# KiCad board issue22475.kicad_pcb (continued)
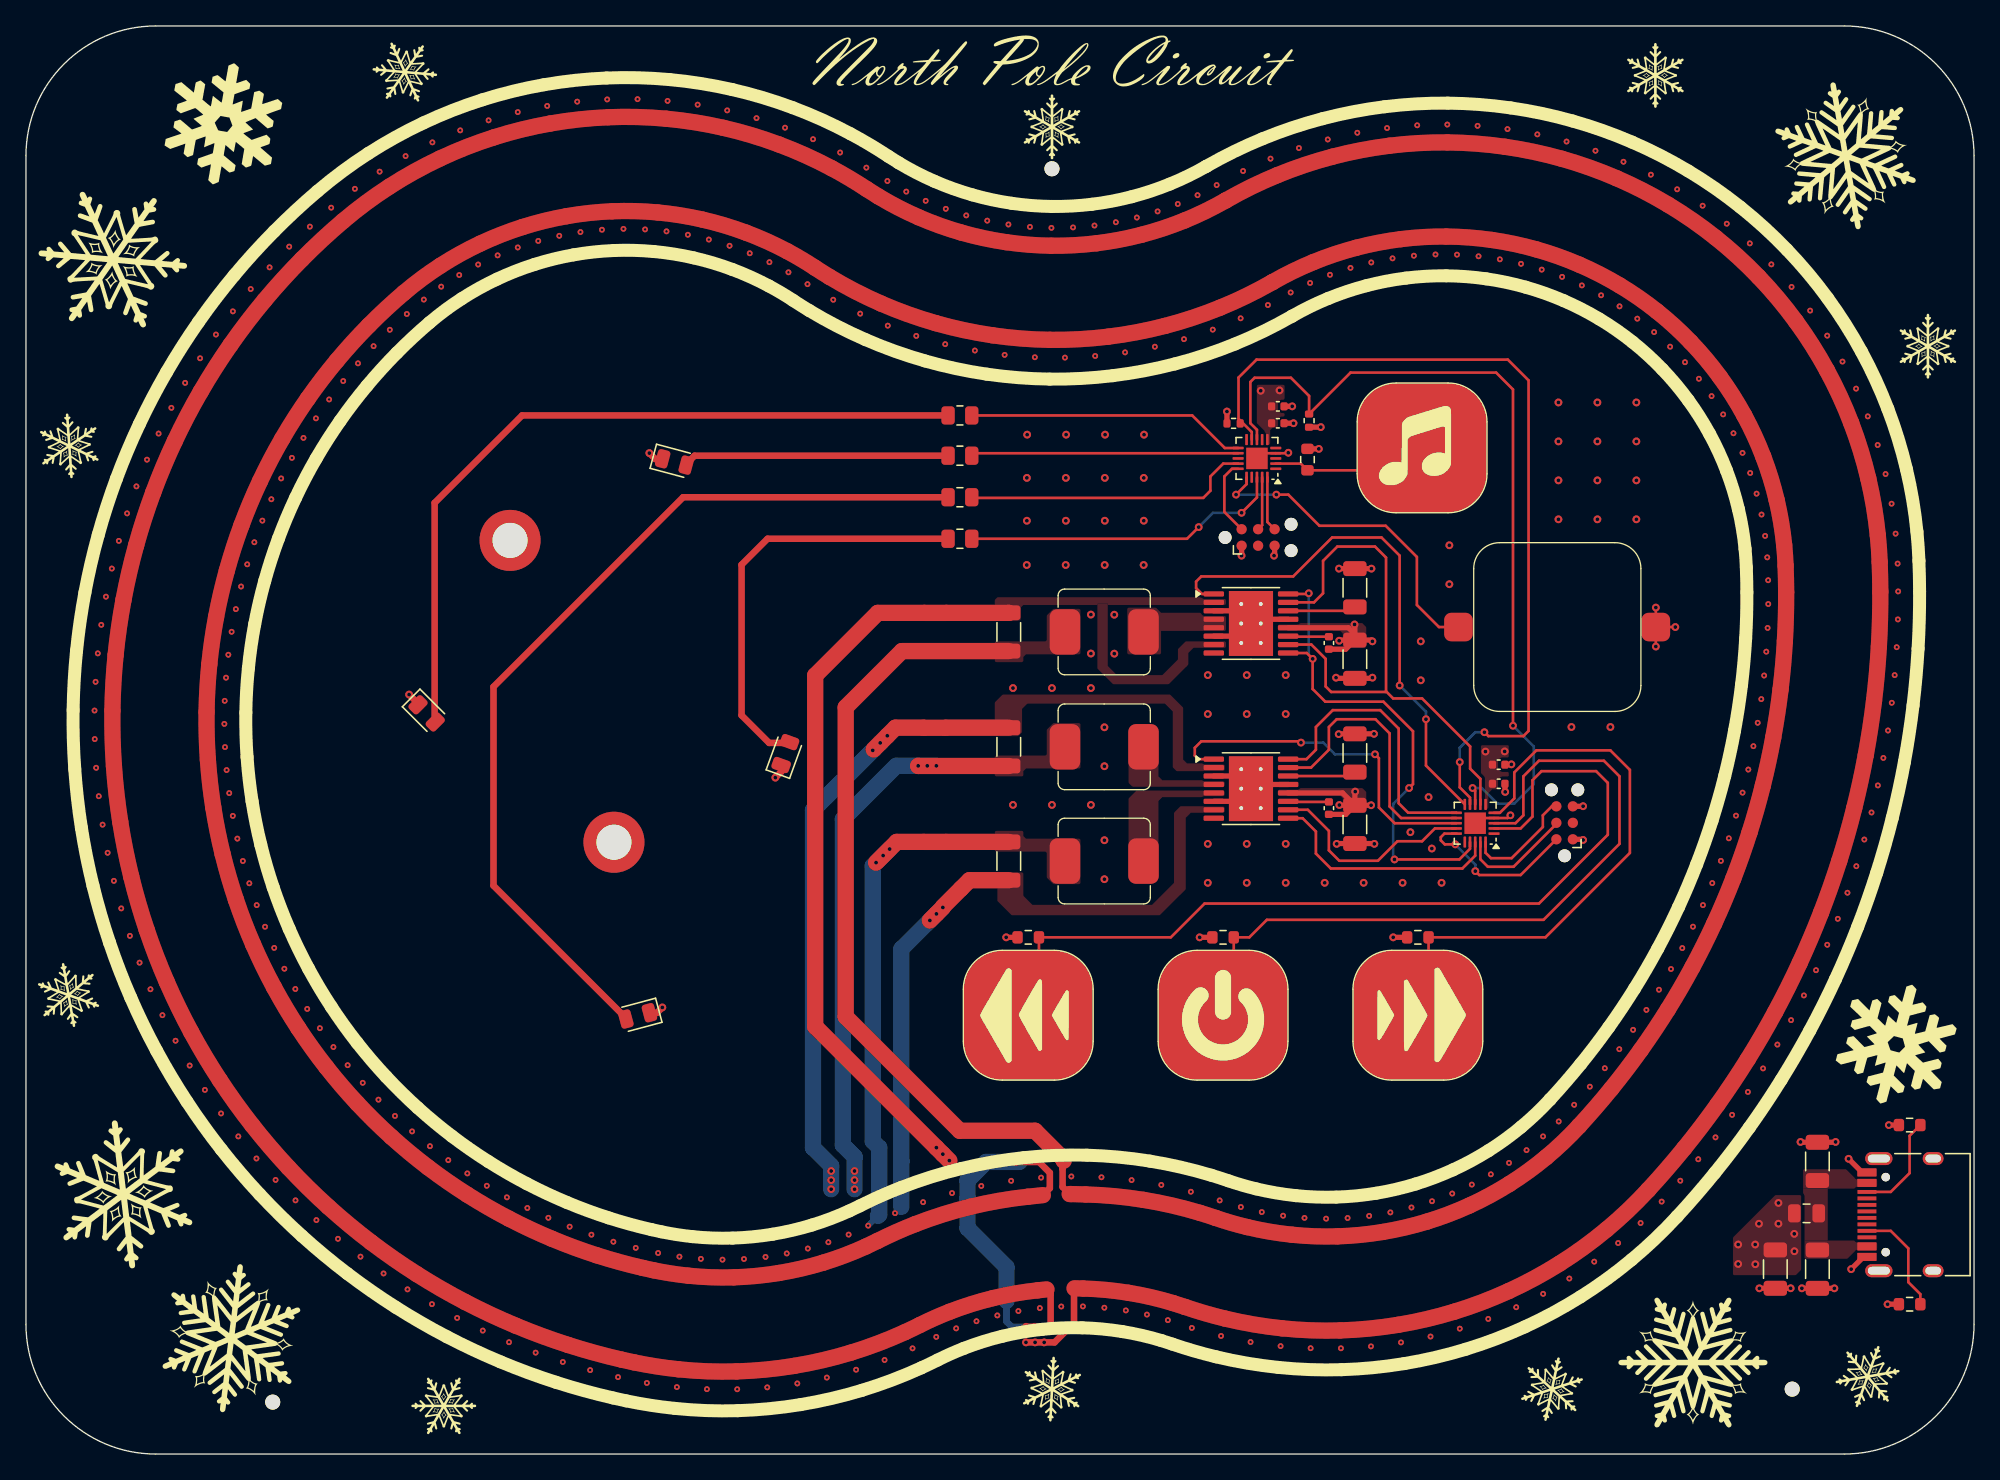
[diagram p0: board, top side]
## Routing (per net, layer and track width the routed paths; a pad name or vN(x,y) marks a point on that pad's centre or on a via; arc(x,y) is an arc through that point) (continued)
  In2.Cu w0.45: 127.38,21.05 arc(128.24,22.06) 128.76,22.7 ; 130.09,24.39 arc(130.88,25.45) 131.36,26.12 ; v2(91.68,97.75) arc(91.7,97.76) 91.71,97.76 arc(92.21,98.04) 93.72,98.83 ; 129.11,96.15 arc(127.66,97.1) 127.15,97.41 ; 83.93,94.88 arc(83.52,94.81) 82.28,94.63 ; 103.56,8.29 arc(105.28,8.5) 105.86,8.59 ; 120.75,14.81 arc(122.13,15.87) 122.59,16.24 ; 15.02,26.24 arc(15.88,25.07) 16.34,24.48 ; 25.33,97.46 arc(23.97,96.39) 23.51,96.01 ; 39.24,7.81 arc(40.61,7.33) 41.32,7.09 ; 70.83,95.91 arc(70.45,96.05) 69.29,96.53 ; 5.8,63.88 arc(5.61,62.44) 5.53,61.69 ; 143.96,70.89 arc(144.04,70) 144.11,68.76 arc(144.11,68.84) 144.12,68.58 ; 144.14,64.28 arc(144.16,65.61) 144.16,66.43 ; 7.79,72.46 arc(7.36,71.08) 7.15,70.35 ; 138.7,39.22 arc(139.2,40.45) 139.51,41.21 ; 141.55,47.33 arc(141.9,48.6) 142.11,49.4 ; 90.21,96.97 arc(89.84,96.79) 88.7,96.29 ; 94.29,8.63 arc(96,8.38) 96.59,8.31 ; 143.65,73.19 arc(143.32,74.9) 143.19,75.47 ; 5.36,59.49 arc(5.3,58.04) 5.28,57.28 ; 138.7,86.14 arc(137.73,87.58) 137.39,88.06 ; 42.45,104.17 arc(40.73,103.94) 40.15,103.84 ; 107.13,102.35 arc(105.4,102.21) 104.82,102.14 ; 35.17,9.51 arc(36.49,8.91) 37.18,8.62 ; 24.02,16.58 arc(25.15,15.67) 25.75,15.21 ; 143.37,55.72 arc(143.56,57.04) 143.66,57.85 ; 7.33,42.04 arc(7.76,40.65) 7.99,39.93 ; 6.61,68.21 arc(6.3,66.79) 6.16,66.05 ; 64.71,99.08 arc(63.41,99.85) 62.7,100.25 ; 125.95,19.44 arc(125.92,19.42) 125.9,19.39 arc(125.52,18.98) 124.32,17.79 ; 83.03,11.27 arc(83.44,11.23) 84.68,11.06 ; 57.07,5.13 arc(58.79,5.34) 59.38,5.43 ; 142.59,51.5 arc(142.86,52.79) 143.02,53.6 ; 77.31,94.52 arc(76.9,94.56) 75.66,94.71 ; 140.92,82.06 arc(140.16,83.61) 139.88,84.14 ; 12.6,29.93 arc(13.36,28.69) 13.77,28.06 ; 136.9,35.32 arc(137.48,36.51) 137.83,37.25 ; 18.76,91.41 arc(17.8,90.32) 17.31,89.75 ; 108.14,9.05 arc(109.82,9.48) 110.39,9.65 ; 13.41,84.41 arc(12.65,83.17) 12.26,82.52 ; 143.89,59.99 arc(143.99,61.31) 144.05,62.14 ; 20.75,19.54 arc(21.8,18.54) 22.35,18.03 ; 74.02,95 arc(73.62,95.09) 72.41,95.4 ; 67.79,97.24 arc(67.42,97.43) 66.34,98.05 ; 87.14,95.72 arc(86.75,95.59) 85.55,95.25 ; 86.31,10.74 arc(86.71,10.65) 87.91,10.32 ; 37.87,103.37 arc(36.2,102.91) 35.64,102.74 ; 10.5,33.81 arc(11.16,32.51) 11.51,31.85 ; 9.32,76.6 arc(8.78,75.25) 8.51,74.55 ; 89.77,9.71 arc(91.23,9.29) 92.01,9.1 ; 15.94,88.02 arc(15.07,86.86) 14.64,86.24 ; 111.78,102.31 arc(110.05,102.4) 109.46,102.41 ; 5.29,55.08 arc(5.36,53.63) 5.4,52.87 ; 66.11,7.24 arc(67.71,7.9) 68.25,8.14 ; 61.66,5.89 arc(63.34,6.32) 63.9,6.49 ; 125.12,98.54 arc(123.56,99.3) 123.02,99.54 ; 47.1,104.36 arc(45.36,104.36) 44.77,104.34 ; 47.8,5.48 arc(49.35,5.25) 50.11,5.16 ; 43.44,6.47 arc(44.84,6.1) 45.58,5.93 ; 33.44,101.96 arc(31.84,101.29) 31.31,101.04 ; 135.96,89.89 arc(134.81,91.19) 134.4,91.62 ; 98.02,100.6 arc(96.39,100.01) 95.84,99.79 ; 5.6,50.68 arc(5.79,49.24) 5.9,48.49 ; 70.09,9.02 arc(70.61,9.26) 71.62,9.68 ; 21.86,94.55 arc(20.81,93.54) 20.28,93.01 ; 102.52,101.78 arc(100.82,101.41) 100.25,101.26 ; 134.86,31.53 arc(135.51,32.69) 135.91,33.41 ; 27.53,13.91 arc(28.73,13.1) 29.37,12.69 ; 31.25,11.55 arc(32.52,10.84) 33.19,10.49 ; 6.29,46.32 arc(6.59,44.9) 6.76,44.17 ; 80.63,94.48 arc(80.22,94.46) 78.97,94.45 ; 140.25,43.23 arc(140.68,44.48) 140.93,45.27 ; 56.26,102.9 arc(54.58,103.36) 54.01,103.49 ; 52.43,5 arc(54.16,4.98) 54.75,4.99 ; 73.18,10.23 arc(73.58,10.35) 74.78,10.67 ; 29.24,99.98 arc(27.74,99.1) 27.24,98.79 ; 79.71,11.36 arc(80.12,11.38) 81.37,11.37 ; 120.86,100.39 arc(119.21,100.93) 118.64,101.09 ; 60.61,101.27 arc(59.01,101.95) 58.46,102.16 ; 132.74,93.25 arc(131.43,94.39) 130.97,94.76 ; 8.74,37.86 arc(9.29,36.51) 9.58,35.81 ; 11.2,80.59 arc(10.54,79.3) 10.22,78.62 ; 116.38,101.65 arc(114.68,101.97) 114.09,102.05 ; 142.58,77.72 arc(142.03,79.36) 141.82,79.91 ; 112.59,10.4 arc(114.2,11.06) 114.74,11.3 ; 17.74,22.77 arc(18.7,21.68) 19.21,21.13 ; 98.91,8.15 arc(100.65,8.13) 101.24,8.15 ; 76.41,11.01 arc(76.82,11.08) 78.06,11.24 ; 51.73,103.94 arc(50.01,104.17) 49.42,104.23 ; 116.82,12.34 arc(118.32,13.2) 118.83,13.51 ; 132.58,27.89 arc(133.31,28.99) 133.75,29.69
  Bottom w1.25: v1(62,20.4) 62,22.2 60.6,23.6 60.6,49.6 v1(65.78,54.78) v1(66.32,55.33) ; 68.6,53.01 v1(69.4,53.01) v1(70.1,53.01) 70,53.01 ; v1(68.7,53.01) 68.69,53.02 67.02,53.02 62.9,48.9 62.9,23.8 63.8,22.9 v1(63.8,20.4)
  vias: v1(65.2,54.2) v2(5.28,57.27) v2(5.4,52.86) v2(5.53,61.67) v2(5.9,48.48) v2(6.16,66.04) v2(6.77,44.15) v2(7.15,70.34) v2(8,39.92) v2(8.51,74.54) v2(9.59,35.8) v2(10.21,78.6) v2(11.52,31.84) v2(12.26,82.51) v2(13.78,28.05) v2(14.63,86.23) v2(16.35,24.47) v2(17.3,89.74) v2(19.22,21.11) v2(20.27,93) v2(22.36,18.02) v2(23.5,96) v2(25.76,15.2) v2(27.23,98.78) v2(29.38,12.68) v2(31.29,101.03) v2(33.2,10.48) v2(35.62,102.73) v2(37.2,8.61) v2(40.14,103.84) v2(41.34,7.09) v2(44.76,104.34) v2(45.59,5.92) v2(49.4,104.23) v2(50.12,5.16) v2(53.99,103.5) v2(54.77,4.99) v2(58.45,102.16) v2(59.39,5.44) v2(62.69,100.25) v2(63.92,6.49) v2(66.33,98.06) v2(68.27,8.14) v2(69.28,96.53) v2(71.62,9.68) v2(72.4,95.41) v2(74.79,10.68) v2(75.65,94.71) v2(78.07,11.24) v2(78.96,94.45) v2(81.38,11.37) v2(82.27,94.63) v2(84.69,11.06) v2(85.54,95.24) v2(87.92,10.31) v2(88.69,96.29) v2(92.02,9.09) v2(95.83,99.78) v2(96.61,8.31) v2(100.24,101.26) v2(101.25,8.15) v2(104.8,102.14) v2(105.88,8.6) v2(109.44,102.41) v2(110.4,9.66) v2(114.08,102.06) v2(114.75,11.31) v2(118.63,101.1) v2(118.84,13.52) v2(122.6,16.25) v2(123.01,99.54) v2(125.95,19.44) v2(127.14,97.42) v2(128.77,22.71) v2(130.96,94.77) v2(131.37,26.13) v2(133.76,29.7) v2(134.39,91.63) v2(135.91,33.42) v2(137.38,88.07) v2(137.83,37.27) v2(139.51,41.23) v2(139.87,84.15) v2(140.94,45.28) v2(141.82,79.93) v2(142.11,49.42) v2(143.02,53.62) v2(143.19,75.49) v2(143.67,57.87) v2(143.96,70.89) v2(144.05,62.15) v2(144.16,66.45)
/B1_OUT: length 2409.6
  Top w0.45: v1(70.6,42.1) 70.6,42.15
  Top w1.25: v1(70.6,42.1) v1(70.11,41.61) v1(69.6,41.1) ; 70.6,42.15 72.65,44.2 C12.1 ; NT3.2 67.05,47.15 v1(65.46,45.56)
  In1.Cu w0.45: 19.51,19.87 v2(27.14,27.3) ; 140.5,42 v2(130.51,45.69) ; 81.4,95.19 v2(82.33,84.58) ; 57.57,103.17 v2(54.18,93.07) ; 117.67,102.02 v2(115.12,91.68) ; 144.43,58.86 v2(133.84,59.97) ; v2(125.37,86.42) 132.28,94.52 ; v2(118.02,25.62) 125.62,18.16 ; 122.18,100.58 v2(118.28,90.67) ; v2(15.3,58.02) 4.66,58.4 ; 144.8,67.52 v2(134.15,67.31) ; v2(97.38,89.47) 92.37,98.87 ; v2(30.63,88.92) 24,97.25 ; v2(33.36,90.82) 27.89,99.95 ; v2(37.03,19.77) 31.91,10.43 ; 6.41,42.93 v2(16.7,45.68) ; 102.44,7.55 v2(101.77,18.18) ; v2(119.8,90.02) 124.35,99.65 ; v2(131.12,47.43) 141.22,44.05 ; 61.95,101.36 v2(57.25,91.81) ; 113.01,102.85 v2(111.85,92.26) ; 26.25,14.03 v2(32.52,22.64) ; v2(134.16,65.47) 144.81,65.36 ; v2(15.58,61.57) 5.01,62.85 ; 7.75,38.67 v2(17.77,42.28) ; v2(122.7,88.4) 128.49,97.35 ; 123.9,16.52 v2(116.81,24.47) ; 43.56,104.92 v2(44.35,94.3) ; v2(109.82,20.06) 113.93,10.24 ; v2(75.36,84.67) 76.55,95.25 ; 51.22,4.41 v2(51.97,15.03) ; v2(21.37,78.27) 12.27,83.8 ; 72.61,9.35 v2(69.08,19.4) ; 132.52,26.63 v2(123.75,32.68) ; 19.04,92.66 v2(26.77,85.34) ; v2(28.41,26.04) 21.1,18.3 ; 94.51,99.92 v2(98.88,90.21) ; v2(23.34,81.23) 14.75,87.52 ; v2(53.63,14.97) 53.6,4.32 ; 87.7,96.6 v2(91.38,86.61) ; 138.87,37.97 v2(129.13,42.28) ; 126.46,98.56 v2(121.28,89.26) ; 42.19,6.14 v2(45.23,16.35) ; v2(66.36,86.91) 70.29,96.81 ; 97.71,7.57 v2(98.45,18.19) ; 37.97,7.6 v2(41.86,17.51) ; 22.75,16.8 v2(29.73,24.85) ; v2(31.11,23.71) 24.48,15.37 ; 107.14,8.17 v2(105.06,18.61) ; v2(18.2,71.9) 8.3,75.81 ; v2(70.78,85.49) 73.36,95.82 ; v2(112.79,21.55) 118.17,12.35 ; 93.02,8.21 v2(95.16,18.64) ; 4.84,51.71 v2(15.45,52.69) ; v2(55.73,92.49) 59.78,102.34 ; v2(40.22,18.2) 35.92,8.46 ; v2(25.93,28.6) 17.99,21.5 ; 11.15,81.87 v2(20.48,76.73) ; 5.44,47.29 v2(15.93,49.16) ; 82.17,10.69 v2(82.81,21.32) ; 11.48,30.56 v2(20.74,35.82) ; v2(50.32,15.2) 48.87,4.65 ; v2(46.01,94.37) 45.92,105.02 ; v2(85.13,21.1) 83.78,10.54 ; 103.56,102.62 v2(105.23,92.1) ; v2(93.54,19.03) 90.72,8.76 ; v2(60.2,15.83) 62.97,5.55 ; 116.08,11.22 v2(111.33,20.75) ; 38.87,104.26 v2(41.06,93.84) ; v2(89.69,20.2) 86.96,9.91 ; 136.99,34.06 v2(127.54,38.97) ; 130.44,95.99 v2(124.07,87.45) ; v2(17.04,68.53) 6.83,71.59 ; 85.37,10.28 v2(87.42,20.73) ; v2(71.31,20.1) 74.16,9.84 ; 144.75,63.19 v2(134.11,63.63) ; 13.85,26.77 v2(22.63,32.8) ; v2(33.98,21.62) 28.09,12.75 ; 120.17,13.61 v2(114.2,22.43) ; v2(133.62,58.15) 144.17,56.71 ; v2(84.63,84.86) 83,95.38 ; 84.59,95.69 v2(86.92,85.29) ; 4.79,60.64 v2(15.4,59.8) ; 111.71,9.4 v2(108.26,19.47) ; 78.93,10.67 v2(78.16,21.29) ; 98.94,101.57 v2(101.99,91.36) ; 134.87,30.28 v2(125.74,35.76) ; v2(133.64,72.36) 144.08,74.48 ; 22.25,95.77 v2(29.32,87.82) ; v2(43.54,16.89) 40.07,6.82 ; v2(124.77,34.21) 133.73,28.44 ; v2(126.67,37.36) 135.96,32.16 ; v2(131.48,78.63) 140.99,83.41 ; 74.95,95.48 v2(73.06,85) ; 16.53,23.2 v2(24.77,29.95) ; 78.17,95.12 v2(77.68,84.48) ; v2(113.49,92.03) 115.34,102.51 ; 141.99,81.25 v2(132.17,77.11) ; v2(134.08,69.07) 144.71,69.77 ; v2(63.34,16.9) 67.45,7.08 ; 127.16,19.81 v2(119.21,26.9) ; v2(115.54,23.41) 122.09,15.01 ; 48.29,104.96 v2(47.67,94.33) ; v2(16.28,47.4) 5.88,45.09 ; 55.96,4.39 v2(55.29,15.02) ; v2(17.2,43.96) 7.04,40.77 ; v2(15.65,50.91) 5.1,49.49 ; v2(129.79,81.49) 138.59,87.49 ; v2(129.85,43.98) 139.72,39.98 ; 9.16,77.87 v2(18.89,73.54) ; v2(16.16,65.08) 5.74,67.26 ; v2(25.57,84.01) 17.53,91.01 ; v2(23.67,31.35) 15.16,24.95 ; v2(15.33,54.46) 4.69,53.93 ; 29.97,11.55 v2(35.48,20.67) ; v2(134,61.8) 144.62,61.03 ; v2(128.36,40.62) 137.96,36.01 ; v2(106.68,18.99) 109.45,8.71 ; 34.31,102.98 v2(37.87,92.94) ; v2(52.58,93.55) 55.29,103.85 ; 68.81,97.46 v2(64.23,87.84) ; 65.22,6.23 v2(61.79,16.31) ; 129.94,23.14 v2(121.57,29.72) ; v2(116.71,91.23) 119.94,101.38 ; 75.73,10.22 v2(73.56,20.65) ; 143.84,54.56 v2(133.34,56.33) ; v2(100.41,90.83) 96.69,100.81 ; v2(28.02,86.6) 20.6,94.25 ; 60.65,5.01 v2(58.58,15.45) ; 7.52,73.72 v2(17.59,70.23) ; v2(75.86,21.05) 77.33,10.5 ; v2(122.69,31.19) 131.26,24.87 ; v2(96.8,18.36) 95.36,7.81 ; v2(132.77,75.57) 142.83,79.04 ; 139.86,85.48 v2(130.68,80.08) ; 71.81,96.27 v2(68.55,86.13) ; 144.47,72.13 v2(133.91,70.72) ; v2(106.87,92.3) 105.9,102.91 ; 141.87,46.11 v2(131.67,49.17) ; v2(120.42,28.3) 128.58,21.46 ; 4.63,56.17 v2(15.28,56.24) ; 137.2,89.39 v2(128.81,82.83) ; v2(36.32,92.33) 32.1,102.11 ; v2(133.01,54.53) 143.45,52.43 ; v2(19.65,75.15) 10.11,79.89 ; 108.28,103.05 v2(108.53,92.4) ; 65.99,99.04 v2(60.18,90.11) ; 90.65,97.92 v2(95.63,88.5) ; 5.33,65.07 v2(15.83,63.34) ; v2(19.9,37.38) 10.42,32.52 ; v2(66.92,18.56) 71.11,8.77 ; 13.47,85.69 v2(22.33,79.78) ; v2(18.41,40.62) 8.55,36.57 ; v2(100.11,18.13) 100.08,7.48 ; v2(58.71,91.03) 64.03,100.25 ; 134.04,92.92 v2(126.6,85.3) ; 88.5,9.45 v2(91.91,19.53) ; v2(56.94,15.18) 58.32,4.62 ; 16.11,89.3 v2(24.43,82.65) ; 143.53,76.77 v2(133.26,73.98) ; 142.99,50.3 v2(132.62,52.72) ; v2(80.49,21.38) 80.55,10.73 ; v2(103.43,18.34) 104.81,7.78 ; 6.24,69.44 v2(16.56,66.82) ; 69.59,8.06 v2(64.85,17.59) ; v2(110.19,92.39) 110.64,103.03 ; v2(89.17,85.87) 86.16,96.09 ; v2(132.18,50.95) 142.47,48.21 ; v2(39.45,93.44) 36.56,103.69 ; v2(46.95,15.88) 44.35,5.55 ; v2(42.69,94.12) 41.2,104.67 ; 25.9,98.67 v2(31.97,89.92) ; v2(21.66,34.28) 12.63,28.63 ; v2(49.32,94.18) 50.64,104.75 ; v2(80,84.45) 79.78,95.1 ; 33.89,9.41 v2(38.61,18.95) ; 29.96,101.11 v2(34.82,91.63) ; 9.44,34.53 v2(19.12,38.99) ; v2(93.53,87.48) 89.19,97.21 ; 52.99,104.37 v2(50.97,93.92) ; v2(62.16,88.91) 67.37,98.2 ; v2(48.67,15.49) 46.53,5.05 arc(46.48,5.06) 46.41,5.08 arc(45.98,5.17) 45.43,5.29 arc(45.34,5.31) 44.34,5.55 ; v2(103.59,91.78) 101.23,102.17 ; v2(127.74,84.1) 135.67,91.21 ; 55.3,103.84 arc(53.98,104.17) 54.15,104.13 arc(53.47,104.28) 52.99,104.37 ; 38.87,104.26 arc(39.35,104.36) 40.04,104.48 arc(39.86,104.45) 41.21,104.67 ; 127.15,19.81 arc(126.82,19.44) 126.42,19 arc(126.4,18.98) 126.37,18.95 arc(126.52,19.1) 125.61,18.15 ; 13.85,26.78 arc(13.57,27.18) 13.23,27.7 arc(13.18,27.78) 12.62,28.64 ; 113.01,102.85 arc(113.49,102.79) 114.18,102.7 arc(114.01,102.72) 115.35,102.51 ; 140.5,41.99 arc(140.32,41.53) 140.11,40.98 arc(140.04,40.78) 139.71,39.97 ; 65.99,99.04 arc(66.39,98.78) 66.67,98.61 arc(67.49,98.13) 67.37,98.2 ; 130.44,95.99 arc(130.82,95.7) 131.38,95.27 arc(131.24,95.38) 132.29,94.51 ; 26.25,14.03 arc(25.85,14.32) 25.35,14.69 arc(25.28,14.75) 24.47,15.38 ; 128.49,97.34 arc(127.34,98.06) 127.49,97.97 arc(126.88,98.33) 126.46,98.56 ; 143.84,54.55 arc(143.76,54.07) 143.66,53.49 arc(143.62,53.28) 143.45,52.42 ; 29.97,101.11 arc(30.4,101.32) 31.03,101.63 arc(30.87,101.55) 32.11,102.12 ; 103.56,102.62 arc(104.04,102.69) 104.74,102.78 arc(104.56,102.76) 105.91,102.91 ; 19.04,92.67 arc(19.38,93.02) 19.82,93.47 arc(19.88,93.53) 20.61,94.25 ; 13.47,85.69 arc(13.75,86.1) 14.1,86.62 arc(14.15,86.69) 14.75,87.52 ; 69.59,8.06 arc(69.16,7.84) 68.52,7.55 arc(68.68,7.62) 67.44,7.07 ; 61.95,101.36 arc(62.38,101.15) 63,100.82 arc(63.08,100.78) 64.04,100.25 ; 59.79,102.34 arc(58.52,102.83) 58.69,102.77 arc(58.03,103.01) 57.57,103.16 ; 138.86,37.97 arc(138.66,37.52) 138.42,36.98 arc(138.33,36.79) 137.96,36 ; 35.91,8.46 arc(36.85,8.05) 36.93,8.02 arc(37.51,7.78) 37.97,7.6 ; 94.51,99.92 arc(94.95,100.11) 95.6,100.39 arc(95.43,100.32) 96.7,100.82 ; 144.71,69.77 arc(144.64,70.66) 144.61,70.95 arc(144.53,71.65) 144.47,72.13 ; 43.56,104.92 arc(44.04,104.96) 44.74,104.99 arc(44.57,104.99) 45.93,105.02 ; 17.98,21.51 arc(18.67,20.75) 18.73,20.68 arc(19.16,20.23) 19.5,19.87 ; 12.27,83.81 arc(11.75,82.93) 11.7,82.85 arc(11.39,82.31) 11.15,81.88 ; 71.1,8.76 arc(71.14,8.78) 71.85,9.07 arc(72.16,9.19) 72.61,9.35 ; 120.16,13.61 arc(119.76,13.34) 119.17,12.96 arc(119.32,13.05) 118.16,12.35 ; 92.38,98.88 arc(91.22,98.23) 91.39,98.33 arc(91.38,98.32) 91.36,98.31 arc(91.07,98.15) 90.65,97.92 ; 4.69,53.94 arc(4.75,52.92) 4.75,52.83 arc(4.8,52.21) 4.84,51.72 ; 141.99,81.25 arc(142.17,80.8) 142.43,80.15 arc(142.37,80.31) 142.84,79.03 ; 8.3,75.82 arc(7.93,74.86) 7.9,74.77 arc(7.69,74.19) 7.52,73.72 ; 95.35,7.81 arc(96.7,7.65) 96.52,7.67 arc(97.23,7.6) 97.7,7.57 ; 133.72,28.43 arc(134.19,29.17) 134.3,29.35 arc(134.61,29.85) 134.87,30.27 ; 4.79,60.64 arc(4.83,61.13) 4.89,61.75 arc(4.9,61.84) 5.01,62.86 ; 108.28,103.05 arc(108.76,103.06) 109.46,103.06 arc(109.29,103.06) 110.65,103.03 ; 33.88,9.41 arc(33.44,9.63) 32.89,9.91 arc(32.81,9.96) 31.9,10.44 ; 34.32,102.98 arc(34.77,103.14) 35.44,103.36 arc(35.27,103.3) 36.57,103.7 ; 141.22,44.04 arc(141.49,44.87) 141.55,45.07 arc(141.73,45.63) 141.87,46.11 ; 144.17,56.7 arc(144.28,57.57) 144.31,57.78 arc(144.38,58.36) 144.43,58.85 ; 134.04,92.92 arc(134.38,92.58) 134.87,92.07 arc(134.75,92.2) 135.68,91.21 ; 5.1,49.5 arc(5.24,48.48) 5.26,48.39 arc(5.36,47.77) 5.44,47.29 ; 136.99,34.06 arc(136.76,33.62) 136.48,33.1 arc(136.38,32.92) 135.96,32.15 ; 10.42,32.53 arc(10.89,31.62) 10.94,31.54 arc(11.24,30.99) 11.48,30.56 ; 100.07,7.48 arc(101.43,7.5) 101.26,7.5 arc(101.96,7.52) 102.44,7.55 ; 9.44,34.54 arc(9.24,34.98) 8.98,35.56 arc(8.95,35.64) 8.55,36.58 ; 123.9,16.52 arc(123.54,16.2) 123,15.74 arc(123.14,15.86) 122.08,15 ; 24.01,97.26 arc(22.96,96.39) 23.09,96.51 arc(22.62,96.1) 22.25,95.77 ; 144.62,61.02 arc(144.68,61.89) 144.69,62.1 arc(144.73,62.69) 144.75,63.18 ; 89.2,97.21 arc(89.32,97.27) 88.45,96.89 arc(88.15,96.77) 87.7,96.6 ; 17.54,91.01 arc(16.87,90.23) 16.81,90.16 arc(16.42,89.68) 16.11,89.3 ; 139.87,85.48 arc(140.11,85.06) 140.45,84.45 arc(140.36,84.6) 141,83.4 ; 50.66,104.75 arc(49.3,104.89) 49.48,104.87 arc(48.78,104.93) 48.3,104.96 ; 119.95,101.38 arc(118.65,101.76) 118.82,101.72 arc(118.14,101.9) 117.67,102.02 ; 131.26,24.86 arc(131.77,25.57) 131.89,25.74 arc(132.23,26.22) 132.52,26.63 ; 5.33,65.07 arc(5.41,65.56) 5.52,66.17 arc(5.54,66.26) 5.74,67.27 ; 7.75,38.67 arc(7.58,39.13) 7.38,39.72 arc(7.35,39.81) 7.03,40.79 ; 16.53,23.2 arc(16.22,23.59) 15.83,24.08 arc(15.77,24.15) 15.15,24.96 ; 111.71,9.39 arc(111.25,9.24) 110.58,9.03 arc(110.75,9.08) 109.44,8.7 ; 78.17,95.12 arc(78.65,95.1) 78.98,95.1 arc(79.92,95.1) 79.79,95.1 ; 124.36,99.64 arc(123.12,100.2) 123.28,100.13 arc(122.63,100.4) 122.18,100.58 ; 4.66,58.41 arc(4.63,57.39) 4.63,57.29 arc(4.62,56.67) 4.63,56.18 ; 60.65,5 arc(60.18,4.91) 59.48,4.79 arc(59.66,4.82) 58.31,4.62 ; 128.57,21.45 arc(129.13,22.12) 129.26,22.29 arc(129.63,22.75) 129.94,23.13 ; 86.95,9.91 arc(86.82,9.95) 87.73,9.69 arc(88.04,9.6) 88.5,9.45 ; 71.82,96.26 arc(72.28,96.12) 72.59,96.03 arc(73.5,95.79) 73.37,95.82 ; 22.75,16.81 arc(22.38,17.13) 21.92,17.55 arc(21.85,17.61) 21.1,18.31 ; 29.97,11.55 arc(29.55,11.81) 29.02,12.14 arc(28.94,12.19) 28.08,12.75 ; 27.9,99.96 arc(26.74,99.24) 26.89,99.33 arc(26.3,98.95) 25.91,98.67 ; 40.06,6.83 arc(41.04,6.5) 41.12,6.48 arc(41.72,6.29) 42.19,6.15 ; 53.59,4.32 arc(54.95,4.34) 54.77,4.34 arc(55.47,4.37) 55.95,4.39 ; 137.2,89.39 arc(137.49,89.01) 137.92,88.45 arc(137.81,88.59) 138.6,87.48 ; 143.53,76.77 arc(143.66,76.3) 143.83,75.62 arc(143.78,75.79) 144.08,74.46 ; 116.07,11.22 arc(115.64,11.01) 115.01,10.71 arc(115.17,10.78) 113.92,10.23 ; 78.93,10.67 arc(78.45,10.63) 78.12,10.6 arc(77.19,10.48) 77.32,10.5 ; 10.12,79.9 arc(9.67,78.98) 9.63,78.89 arc(9.37,78.33) 9.16,77.88 ; 107.13,8.16 arc(106.66,8.07) 105.97,7.95 arc(106.14,7.98) 104.8,7.78 ; 86.16,96.09 arc(86.29,96.13) 85.38,95.88 arc(85.06,95.8) 84.6,95.69 ; 81.4,95.19 arc(81.88,95.24) 82.21,95.27 arc(83.14,95.41) 83.01,95.38 ; 144.8,67.52 arc(144.8,67.03) 144.81,66.44 arc(144.81,66.23) 144.81,65.35 ; 85.37,10.28 arc(84.9,10.37) 84.58,10.42 arc(83.64,10.55) 83.77,10.54 ; 101.24,102.17 arc(99.92,101.84) 100.09,101.89 arc(99.41,101.7) 98.95,101.57 ; 65.22,6.23 arc(64.77,6.08) 64.09,5.87 arc(64.26,5.92) 62.96,5.54 ; 80.55,10.73 arc(80.41,10.73) 81.36,10.72 arc(81.68,10.71) 82.16,10.69 ; 6.84,71.6 arc(6.55,70.61) 6.53,70.52 arc(6.36,69.92) 6.24,69.45 ; 5.88,45.1 arc(6.11,44.1) 6.13,44.01 arc(6.29,43.41) 6.41,42.93 ; 75.73,10.22 arc(75.26,10.12) 74.94,10.04 arc(74.03,9.8) 74.16,9.84 ; 51.22,4.41 arc(50.74,4.45) 50.04,4.51 arc(50.02,4.51) 48.86,4.65 ; 93.01,8.21 arc(92.54,8.31) 91.86,8.46 arc(91.79,8.48) 90.71,8.76 ; 142.99,50.3 arc(142.88,49.82) 142.74,49.25 arc(142.68,49.04) 142.46,48.2 ; 76.56,95.25 arc(76.69,95.23) 75.75,95.35 arc(75.43,95.4) 74.95,95.48 ; 70.29,96.81 arc(70.42,96.76) 69.55,97.12 arc(69.25,97.25) 68.81,97.46
  In2.Cu w0.45: 95.63,88.51 arc(94.25,87.81) 93.54,87.49 ; 131.67,49.17 arc(131.89,49.91) 132.17,50.94 ; 86.93,85.29 arc(85.41,84.99) 84.64,84.86 ; 27.14,27.3 arc(27.63,26.8) 28.41,26.05 ; 119.21,26.9 arc(119.72,27.48) 120.41,28.29 ; 134.11,63.63 arc(134.14,64.4) 134.16,65.47 ; 16.7,45.68 arc(16.88,45.01) 17.2,43.97 ; 132.17,77.11 arc(131.95,77.62) 131.48,78.62 ; 22.33,79.78 arc(21.95,79.19) 21.37,78.28 ; 22.63,32.8 arc(23.03,32.23) 23.67,31.36 ; 82.81,21.32 arc(84.35,21.19) 85.12,21.1 ; 15.83,63.34 arc(15.73,62.65) 15.58,61.58 ; 20.74,35.82 arc(21.09,35.22) 21.65,34.29 ; 20.48,76.74 arc(20.15,76.12) 19.65,75.16 ; 15.28,56.24 arc(15.29,55.54) 15.32,54.46 ; 34.82,91.63 arc(34.33,91.37) 33.37,90.82 ; 16.56,66.82 arc(16.4,66.14) 16.16,65.09 ; 132.62,52.72 arc(132.79,53.48) 133.01,54.52 ; 57.25,91.81 arc(56.75,92.04) 55.74,92.49 ; 134.08,69.07 arc(134.1,68.66) 134.12,68.37 arc(134.14,67.72) 134.15,67.3 ; 128.82,82.82 arc(128.47,83.25) 127.75,84.1 ; 133.26,73.97 arc(133.11,74.5) 132.77,75.56 ; 91.39,86.61 arc(89.92,86.11) 89.18,85.88 ; 41.07,93.84 arc(40.53,93.72) 39.45,93.44 ; 61.78,16.31 arc(62.3,16.5) 63.34,16.9 ; 44.35,94.3 arc(43.8,94.26) 42.7,94.13 ; 105.23,92.1 arc(104.68,92.01) 103.6,91.79 ; 60.18,90.11 arc(59.91,90.29) 59.99,90.24 arc(59.46,90.57) 58.71,91.02 ; 82.33,84.58 arc(80.79,84.48) 80.01,84.45 ; 24.43,82.65 arc(24,82.1) 23.35,81.24 ; 133.34,56.32 arc(133.47,57.09) 133.62,58.14 ; 121.57,29.72 arc(122.04,30.33) 122.68,31.18 ; 38.6,18.95 arc(39.23,18.65) 40.22,18.2 ; 124.08,87.45 arc(123.63,87.78) 122.71,88.4 ; 98.44,18.19 arc(98.99,18.16) 100.1,18.13 ; 98.88,90.21 arc(98.38,89.97) 97.39,89.48 ; 91.91,19.54 arc(92.18,19.44) 92.06,19.48 arc(92.67,19.28) 93.54,19.03 ; 15.4,59.8 arc(15.36,59.11) 15.3,58.03 ; 77.69,84.48 arc(76.14,84.59) 75.37,84.66 ; 47.67,94.33 arc(47.12,94.36) 46.01,94.37 ; 115.12,91.68 arc(114.58,91.81) 113.5,92.02 ; 55.28,15.02 arc(55.83,15.06) 56.94,15.18 ; 101.76,18.18 arc(102.31,18.22) 103.42,18.34 ; 26.77,85.34 arc(26.29,84.83) 25.57,84.02 ; 116.81,24.47 arc(117.22,24.84) 118.02,25.61 ; v2(48.67,15.49) arc(49.34,15.36) 50.31,15.21 ; 35.48,20.67 arc(36.08,20.31) 37.02,19.78 ; 87.42,20.73 arc(88.93,20.4) 89.68,20.21 ; 24.77,29.95 arc(25.21,29.42) 25.92,28.6 ; 51.96,15.03 arc(52.51,15) 53.62,14.97 ; 130.51,45.69 arc(130.77,46.41) 131.12,47.42 ; 129.13,42.28 arc(129.43,42.99) 129.84,43.97 ; 41.86,17.51 arc(42.51,17.26) 43.53,16.9 ; 108.53,92.4 arc(107.98,92.38) 106.88,92.31 ; 54.18,93.07 arc(53.65,93.24) 52.59,93.55 ; 15.45,52.69 arc(15.52,51.99) 15.65,50.92 ; 121.29,89.25 arc(120.8,89.52) 119.81,90.01 ; 29.73,24.85 arc(30.26,24.4) 31.1,23.72 ; 95.15,18.64 arc(95.7,18.53) 96.79,18.36 ; 126.6,85.3 arc(126.2,85.68) 125.37,86.42 ; 68.56,86.13 arc(67.1,86.63) 66.37,86.91 ; 111.85,92.26 arc(111.3,92.31) 110.2,92.38 ; 111.33,20.75 arc(111.82,21) 112.79,21.54 ; 18.89,73.55 arc(18.62,72.91) 18.2,71.9 ; 64.24,87.84 arc(62.85,88.53) 62.17,88.91 ; 15.93,49.16 arc(16.05,48.47) 16.27,47.41 ; 125.74,35.76 arc(126.13,36.43) 126.66,37.35 ; 130.69,80.08 arc(130.4,80.55) 129.8,81.48 ; 58.58,15.45 arc(59.12,15.56) 60.19,15.83 ; 32.52,22.64 arc(33.08,22.23) 33.98,21.62 ; 37.87,92.94 arc(37.35,92.75) 36.32,92.33 ; 50.97,93.92 arc(50.43,94.02) 49.33,94.18 ; 45.23,16.35 arc(45.9,16.16) 46.94,15.88 ; 31.97,89.92 arc(31.52,89.6) 30.64,88.93 ; 127.53,38.97 arc(127.89,39.66) 128.36,40.61 ; 73.07,85 arc(71.55,85.31) 70.79,85.49 ; 114.19,22.43 arc(114.65,22.74) 115.54,23.4 ; 101.99,91.36 arc(101.46,91.2) 100.42,90.84 ; 78.16,21.29 arc(79.7,21.37) 80.48,21.38 ; 133.84,59.96 arc(133.91,60.73) 134,61.79 ; 118.28,90.67 arc(117.77,90.87) 116.72,91.23 ; 123.75,32.67 arc(124.18,33.31) 124.77,34.2 ; 29.33,87.82 arc(28.81,87.35) 28.02,86.61 ; 19.11,38.99 arc(19.41,38.36) 19.89,37.39 ; 69.08,19.4 arc(70.55,19.88) 71.3,20.1 ; 17.76,42.28 arc(18.01,41.63) 18.4,40.62 ; 108.26,19.47 arc(108.78,19.66) 109.82,20.06 ; 73.56,20.65 arc(75.08,20.93) 75.85,21.05 ; 105.06,18.61 arc(105.6,18.72) 106.67,18.99 ; 133.91,70.72 arc(133.84,71.26) 133.64,72.36 ; 17.59,70.24 arc(17.36,69.57) 17.04,68.54
  Bottom w0.45: v1(69.6,41.1) 69.7,41.2 ; v2(66.92,18.56) 67.4,19.04 ; 64.9,17.64 65.6,18.34 ; 67.4,22.55 67.41,22.56
  Bottom w1.25: v1(66.5,46.6) 65.2,45.3 65.2,24.1 65.7,23.6 65.7,18.44 65.6,18.34 ; 67.41,22.56 67.4,22.57 67.4,38.9 v1(69.6,41.1) v1(70.6,42.1) ; 67.4,19.04 67.4,22.55
  vias: v1(66,46.1)
/B2_OUT: length 4.8
  Top w1.25: C12.2 70.9,47.15
/BUZZ: length 25.2
  Top w0.2: v1(96.28,73.9) 97.2,73.9 99.6,71.5 104.7,71.5 107.1,69.1 107.1,65.4 108.8,63.7 BZ1.1 ; v1(93.18,73.9) 93.99,74.71 U4.16
  Bottom w0.2: v1(93.18,73.9) v1(96.28,73.9)
/CC1: length 8.4
  Top w0.2: R1.1 145.87,12.31 144.94,13.24 144.94,15.84 143.59,17.19 J1.A5
/CC2: length 7.9
  Top w0.2: R2.1 145.04,24.52 145.04,21.64 143.59,20.19 J1.B5
/G1_OUT: length 4.8
  Top w1.25: NT1.2 75.66,64.79 C7.1
/G2_OUT: length 903.4
  Top w0.5: 77.1,9.8 v1(77.7,9.8) v1(78.4,9.8) 78.7,9.8 78.9,10 78.9,12.36 78.58,12.68 ; 80.36,20.03 79.82,20.57 79.82,22 79.8,22 79.8,22.49 79.9,22.59 ; v1(74.8,22.5) v1(75.5,22.5) v1(76.2,22.5) 78,22.5 78.84,21.66 78.84,20.48 78.3,19.94 ; v1(77,8.6) v1(77.7,8.6) v1(78.4,8.6) 79.2,8.6 80.7,10.1 80.7,12.73 80.74,12.77
  Top w1.25: 79.9,22.59 79.9,22.7 77.7,24.9 71.9,24.9 63.12,33.68 63.12,57.52 67.45,61.85 C7.2 ; 80.36,20.03 80.45,20.03 81.61,19.99 arc(84.1,19.83) 86.05,19.58 arc(88.5,19.09) 90.41,18.57 arc(91.08,18.36) 91.61,18.18 arc(92.66,17.85) 94.02,17.48 arc(95.53,17.17) 97.48,16.89 arc(99.01,16.78) 100.98,16.77 arc(102.51,16.86) 104.46,17.1 arc(105.97,17.4) 107.87,17.9 arc(109.33,18.39) 111.15,19.14 arc(112.53,19.82) 114.23,20.81 arc(115.51,21.67) 117.06,22.87 arc(118.2,23.87) 119.56,25.24 arc(119.58,25.26) 119.6,25.29 arc(120.78,26.61) 122.06,28.13 arc(123.16,29.52) 124.34,31.12 arc(125.35,32.58) 126.43,34.25 arc(127.34,35.77) 128.31,37.5 arc(129.13,39.08) 130,40.87 arc(130.71,42.49) 131.46,44.33 arc(132.08,45.99) 132.71,47.88 arc(133.22,49.57) 133.74,51.49 arc(134.14,53.22) 134.53,55.17 arc(134.83,56.92) 135.1,58.89 arc(135.29,60.65) 135.43,62.63 arc(135.51,64.4) 135.53,66.39 arc(135.52,67.35) 135.49,68.43 arc(135.45,69.13) 135.38,70.03 arc(135.18,71.55) 134.8,73.48 arc(134.4,74.97) 133.77,76.83 arc(133.18,78.25) 132.3,80.01 arc(131.53,81.34) 130.43,82.97 arc(129.49,84.19) 128.18,85.66 arc(127.08,86.73) 125.59,88.02 arc(124.36,88.94) 122.71,90.02 arc(121.37,90.77) 119.6,91.62 arc(118.17,92.19) 116.3,92.79 arc(114.81,93.16) 112.87,93.52 arc(111.34,93.69) 109.38,93.78 arc(107.84,93.75) 105.88,93.58 arc(104.36,93.35) 102.44,92.92 arc(100.97,92.49) 99.12,91.81 arc(97.73,91.19) 96.01,90.28 arc(95.98,90.27) 95.97,90.26 arc(93.75,89.1) 91.95,88.3 arc(89.61,87.45) 87.71,86.9 arc(85.27,86.36) 83.32,86.07 arc(80.84,85.86) 78.87,85.82 arc(76.37,85.95) 74.41,86.17 arc(71.96,86.63) 70.05,87.11 arc(67.67,87.88) 65.84,88.62 arc(63.59,89.7) 61.88,90.67 arc(61.24,91.06) 60.74,91.38 arc(59.83,91.96) 58.64,92.64 arc(57.26,93.32) 55.44,94.08 arc(53.99,94.58) 52.09,95.09 arc(50.58,95.38) 48.63,95.64 arc(47.1,95.73) 45.13,95.73 arc(43.59,95.62) 41.64,95.35 arc(40.14,95.04) 38.24,94.51 arc(36.79,94.01) 34.98,93.24 arc(33.61,92.54) 31.92,91.54 arc(30.65,90.67) 29.11,89.45 arc(27.84,88.32) 26.41,86.95 arc(25.24,85.72) 23.94,84.22 arc(22.88,82.9) 21.7,81.3 arc(20.76,79.89) 19.73,78.2 arc(18.91,76.72) 18.02,74.94 arc(17.33,73.39) 16.6,71.55 arc(16.04,69.95) 15.47,68.05 arc(15.05,66.41) 14.64,64.47 arc(14.36,62.8) 14.12,60.83 arc(13.98,59.14) 13.9,57.16 arc(13.91,55.46) 14.01,53.48 arc(14.16,51.79) 14.42,49.82 arc(14.71,48.16) 15.14,46.22 arc(15.58,44.58) 16.17,42.69 arc(16.74,41.09) 17.49,39.25 arc(18.2,37.71) 19.1,35.95 arc(19.93,34.47) 20.98,32.79 arc(21.94,31.39) 23.13,29.8 arc(24.2,28.49) 25.52,27.01 arc(26.7,25.79) 28.14,24.42 arc(29.42,23.31) 30.97,22.08 arc(32.34,21.08) 33.99,19.97 arc(35.44,19.09) 37.17,18.14 arc(38.69,17.38) 40.5,16.58 arc(42.08,15.96) 43.96,15.31 arc(45.58,14.82) 47.5,14.33 arc(47.87,14.25) 48.31,14.16 arc(49.48,13.94) 50.99,13.74 arc(52.53,13.62) 54.49,13.61 arc(56.03,13.7) 57.98,13.95 arc(59.49,14.24) 61.39,14.74 arc(62.85,15.23) 64.67,15.98 arc(65.07,16.17) 65.57,16.42 arc(67.19,17.18) 68.49,17.71 arc(70.84,18.53) 72.75,19.05 arc(75.19,19.55) 77.15,19.82 78.3,19.94 ; NT1.1 65.59,64.79 60.77,59.97 60.77,32.93 v1(70.1,23.6) v1(70.6,23.1) v1(71.1,22.6) ; 78.58,12.68 77.91,12.61 arc(75.96,12.33) 74.46,12.01 arc(72.57,11.47) 71.12,10.96 arc(69.82,10.41) 68.83,9.94 arc(68.33,9.69) 67.68,9.39 arc(65.86,8.62) 63.5,7.81 arc(61.6,7.29) 59.16,6.79 arc(57.2,6.53) 54.71,6.36 arc(52.74,6.36) 50.25,6.53 arc(48.73,6.72) 46.82,7.06 arc(46.39,7.15) 45.88,7.27 arc(43.96,7.75) 41.74,8.4 arc(39.86,9.05) 37.71,9.89 arc(35.9,10.69) 33.82,11.71 arc(32.08,12.66) 30.1,13.85 arc(28.45,14.95) 26.58,16.31 arc(25.02,17.54) 23.27,19.05 arc(21.83,20.41) 20.22,22.06 arc(18.89,23.54) 17.42,25.33 arc(16.23,26.91) 14.92,28.81 arc(13.86,30.49) 12.72,32.5 arc(11.81,34.27) 10.84,36.36 arc(10.09,38.2) 9.3,40.37 arc(8.7,42.26) 8.1,44.49 arc(7.67,46.43) 7.26,48.7 arc(6.99,50.67) 6.77,52.97 arc(6.67,54.95) 6.66,57.26 arc(6.72,59.25) 6.9,61.55 arc(7.14,63.52) 7.51,65.8 arc(7.91,67.74) 8.48,69.98 arc(9.05,71.89) 9.8,74.07 arc(10.53,75.92) 11.46,78.03 arc(12.34,79.81) 13.45,81.83 arc(14.48,83.53) 15.76,85.46 arc(16.93,87.06) 18.37,88.87 arc(19.67,90.37) 21.26,92.05 arc(22.68,93.43) 24.4,94.97 arc(25.94,96.2) 27.99,97.63 arc(29.68,98.65) 31.89,99.8 arc(33.7,100.58) 36.05,101.43 arc(37.95,101.97) 40.39,102.49 arc(42.34,102.77) 44.83,102.97 arc(46.8,102.99) 49.29,102.86 arc(51.25,102.62) 53.7,102.15 arc(55.61,101.66) 57.98,100.87 arc(59.81,100.13) 62.05,99.03 arc(63.25,98.36) 64.74,97.43 arc(65.23,97.12) 65.63,96.87 arc(67.35,95.92) 68.74,95.26 arc(70.57,94.55) 72.04,94.08 arc(73.95,93.61) 75.46,93.35 arc(77.42,93.14) 78.95,93.07 arc(80.92,93.12) 82.45,93.26 arc(84.39,93.57) 85.89,93.92 arc(87.78,94.48) 89.22,95.02 arc(91.01,95.83) 92.37,96.55 arc(92.38,96.56) 92.4,96.57 arc(94.12,97.49) 96.37,98.51 arc(98.21,99.21) 100.6,99.93 arc(102.52,100.38) 104.99,100.78 arc(106.95,100.96) 109.44,101.03 arc(111.41,100.95) 113.9,100.69 arc(115.84,100.36) 118.27,99.77 arc(120.15,99.18) 122.47,98.27 arc(124.26,97.44) 126.45,96.23 arc(128.11,95.17) 130.11,93.68 arc(131.62,92.41) 133.41,90.67 arc(134.73,89.21) 136.28,87.25 arc(137.4,85.63) 138.67,83.48 arc(139.56,81.72) 140.54,79.42 arc(141.19,77.56) 141.85,75.16 arc(142.25,73.22) 142.59,70.75 arc(142.67,69.85) 142.73,68.7 arc(142.77,67.63) 142.78,66.43 arc(142.76,64.44) 142.67,62.21 arc(142.53,60.23) 142.3,58.02 arc(142.03,56.05) 141.66,53.85 arc(141.27,51.9) 140.77,49.74 arc(140.26,47.81) 139.62,45.68 arc(138.99,43.8) 138.22,41.71 arc(137.48,39.87) 136.58,37.83 arc(135.72,36.04) 134.7,34.06 arc(133.73,32.33) 132.58,30.42 arc(131.51,28.75) 130.24,26.91 arc(129.07,25.31) 127.69,23.56 arc(126.42,22.04) 124.94,20.38 arc(124.91,20.35) 124.89,20.32 arc(123.53,18.94) 121.71,17.3 arc(120.15,16.08) 118.09,14.67 arc(116.39,13.67) 114.16,12.55 arc(112.35,11.78) 109.99,10.97 arc(108.09,10.45) 105.64,9.95 arc(103.69,9.69) 101.19,9.52 arc(99.22,9.52) 96.73,9.68 arc(94.78,9.94) 92.33,10.43 arc(90.97,10.79) 89.26,11.33 arc(88.73,11.5) 88.31,11.63 arc(86.41,12.13) 84.9,12.42 arc(82.94,12.66) 81.41,12.75 80.74,12.77
  In2.Cu w0.5: v1(77,8.6) 78.7,8.6 ; v1(78.4,8.6) 76.4,8.6 75.5,9.5 75.5,11.8
  In2.Cu w1.25: 69.8,23.9 72.5,21.2 72.5,17.4 75.5,14.4 75.5,11.8
  Bottom w0.5: 75.5,11.8 75.5,10.2 75.9,9.8 v1(78.4,9.8)
  Bottom w1.25: 75.5,11.8 75.5,14.4 72.5,17.4 72.5,21.07 73.93,22.5 76.5,22.5
  vias: v1(77,9.8)
